# KiCad board klofi_3x5.kicad_pcb (continued)
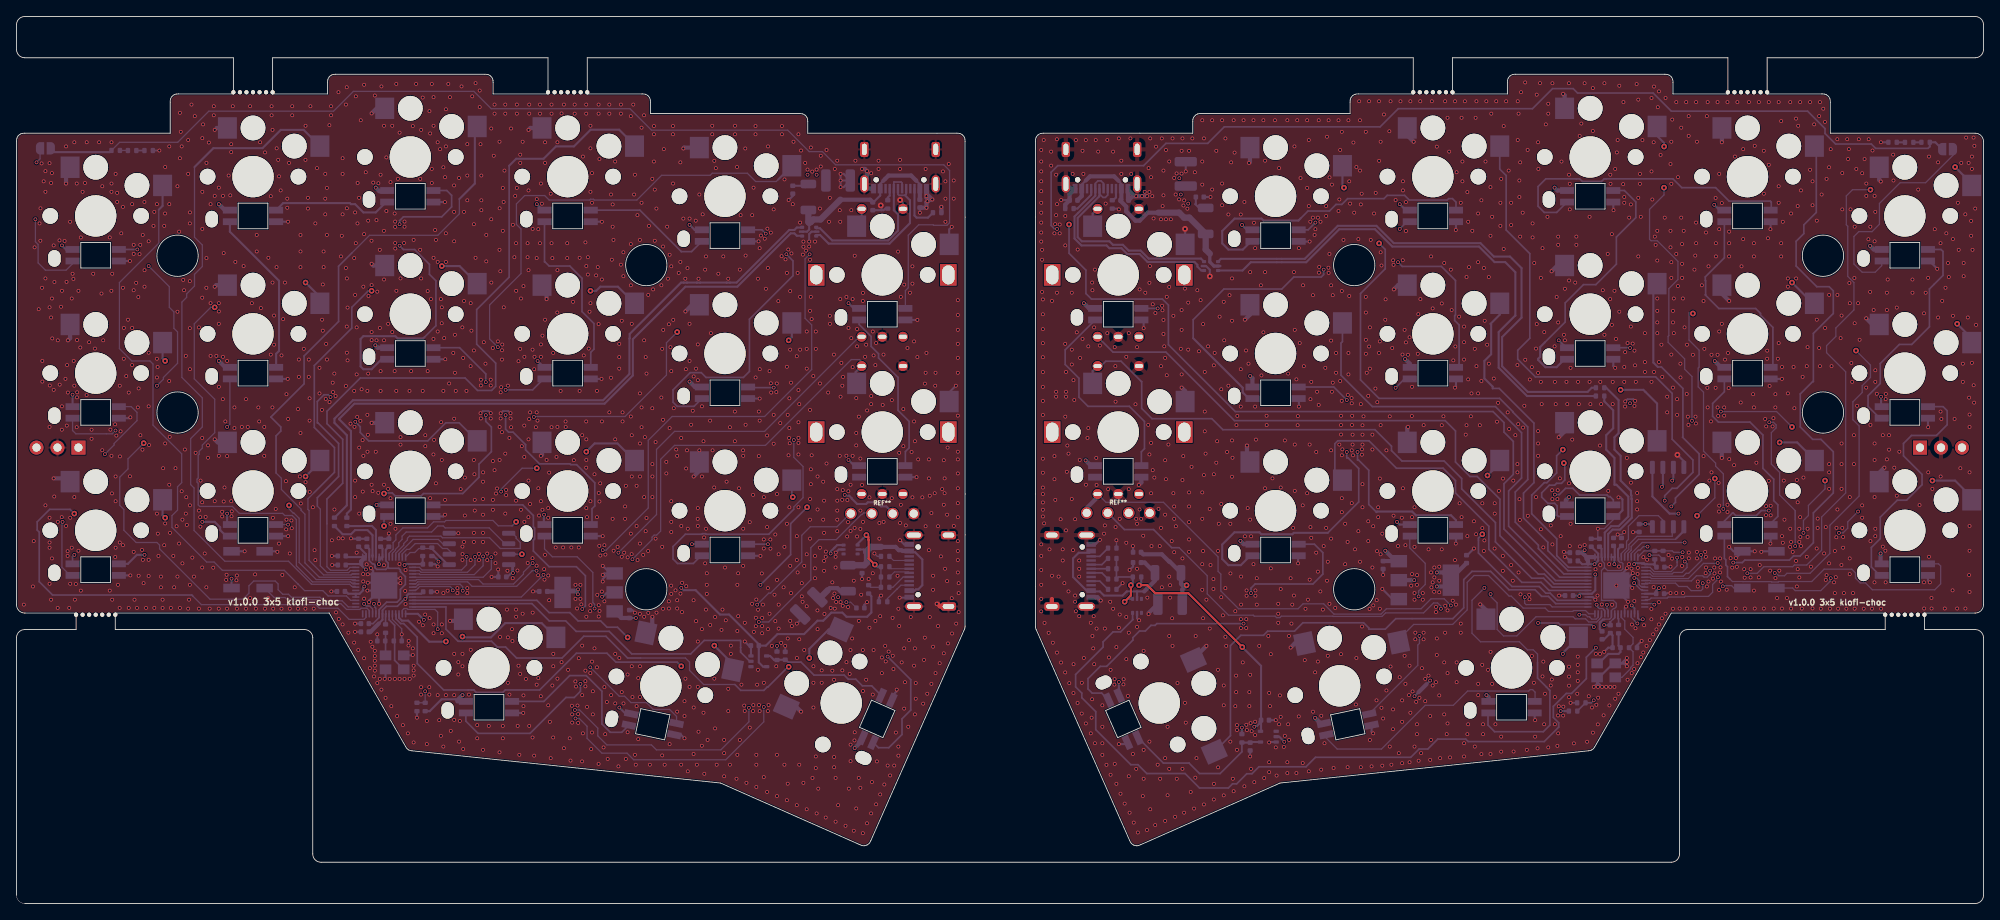
[diagram p0: board, top side]
## Routing (per net, layer and track width the routed paths; a pad name or vN(x,y) marks a point on that pad's centre or on a via; arc(x,y) is an arc through that point) (continued)
/left/AUX-5V: length 17
  Back w0.127: 108.19,42.82 108.1,42.73 J4.A4
  Back w0.254: U4.5 102.61,42.9 102.89,42.62 ; 107.29,42.72 107.19,42.82 ; J4.B4 108.76,37.92 108.91,38.07 109.19,38.07 109.69,38.57 109.69,41.69 108.81,42.57 108.25,42.57 J4.A4
  Back w0.508: 107.19,42.82 106.84,42.82 106.44,43.22 104.69,43.22 ; J4.A4 107.29,42.72
  Back w0.762: 101.39,40.99 102.66,40.99 102.99,41.32 102.99,42.52 102.89,42.62 103.49,43.22 104.69,43.22
/left/AUX-TX: length 10.7
  Front w0.254: v2(103.94,41.07) 103.19,41.82 103.19,44.07 103.17,44.09 103.17,44.4 v2(102.92,44.65)
  Back w0.127: v2(103.94,41.07) 103.89,41.11
  Back w0.152: R8.1 103.19,38.57 103.44,38.32 R12.1 R11.1
  Back w0.254: v2(103.94,41.07) 104.19,40.82 R11.1 ; v2(102.92,44.65) 101.85,43.58 U4.4
/left/D+: length 80.9
  Back w0.254: 95.23,80.92 94.49,80.92 94.2,81.21 93.75,81.21 87.29,74.75 81,74.75 74.63,68.38 74.63,63.99 71.21,60.57 40.91,60.57 39.09,58.75 39.09,58.66 40.5,57.25 40.5,47.75 40,47.25 R13.1
/left/D-: length 82.4
  Back w0.254: 95.23,81.92 94.49,81.92 94.2,81.63 93.58,81.63 87.2,75.25 86.4,75.25 86.39,75.24 85.99,75.24 85.98,75.25 82.8,75.25 82.79,75.24 82.39,75.24 82.38,75.25 81.2,75.25 81.19,75.24 80.79,75.24 80.78,75.25 80.48,75.25 74.25,69.02 74.25,68.5 74.22,68.47 74.22,64.17 71.04,60.99 40.74,60.99 38.5,58.75 38.5,58.25 40,56.75 40,48.25 38.51,46.76 R14.1
/left/D_esd_+: length 19
  Back w0.203: J3.B6 107.74,85.97 107.59,85.82 106.86,85.82 106.74,85.94 J3.A6
  Back w0.254: 107.59,85.82 108.19,85.22 108.19,82.45 105.71,79.97 98.34,79.97 97.3,81.01 96.83,81.01 96.74,80.92
/left/D_esd_-: length 19
  Back w0.203: J3.A7 107.24,87.31 107.12,87.43 106.26,87.43 106.24,87.41 J3.B7
  Back w0.254: 96.74,81.92 96.84,81.82 97.3,81.82 98.77,80.35 105.55,80.35 106.75,81.55 106.75,83.5 106.24,84.01 J3.B7
/left/KEY1: length 64.1
  In1.Cu w0.203: v2(93.51,28.68) 94.93,28.68 v2(96,29.75)
  Back w0.152: 75.56,29.75 81,29.75 81.5,29.25 81.5,28.25 83.21,26.54 86.99,26.54
  Back w0.203: 86.99,26.54 87.7,25.83 90.5,25.83 90.92,26.25 91,26.25 93.5,28.75 93.51,28.74 v2(93.51,28.68) ; 75.56,29.75 74,29.75 71.37,32.38 68.69,32.38 66.06,29.75 60.55,29.75 59.23,31.08 58.23,31.08 57.53,31.78 53.47,31.78 52,33.25 52,35.94 U5.14
  Back w0.254: SW21.1 98.34,33.2 96,30.86 v2(96,29.75)
/left/KEY2: length 64.4
  In1.Cu w0.203: v2(95.73,48.02) 94.5,49.25 v2(94,49.25) ; v1(90.09,38.62) 89.51,38.62 83.69,32.8 82.55,32.8 80,30.25 77,30.25 75,32.25 v2(74,32.25)
  Back w0.203: v2(94,49.25) 93.89,49.36 SW18.1 ; U5.12 63.01,36.74 64.5,35.25 67,35.25 68,34.25 70.73,34.25 71.5,33.48 72.77,33.48 v2(74,32.25) ; v2(95.73,48.02) 93.74,46.03 93.74,42.27 v1(90.09,38.62)
/left/KEY3: length 71.2
  In1.Cu w0.152: v1(62.65,58.96) 62.61,58.93 62.61,58.24 61.59,57.22 59.59,57.22 57.05,54.68 57.05,43.3 56.5,42.75 v1(56.5,42.06)
  In1.Cu w0.254: v2(80,69.25) 80.35,69.6 86.7,69.6 88.05,68.25 v2(93.5,68.25)
  Back w0.152: v1(62.65,58.96) 62.7,59.02 73.69,59.02 78.7,64.03 78.7,67.95 v2(80,69.25) ; v1(56.5,42.06) 56.5,40.93 55.43,39.86 48.87,39.86 48.79,39.94 U5.4
  Back w0.254: SW12.1 93.89,68.64 v2(93.5,68.25)
/left/KEY4: length 93.6
  In1.Cu w0.152: v1(54.5,42.02) 54.5,42.75 54.89,43.14 54.89,56.12 54.36,56.64 54.36,57.39 53.69,58.06 53.69,65.02 54.59,65.92 57.39,65.92 58.29,66.82 v1(58.29,67.42)
  Back w0.152: v1(54.5,42.02) 54.5,41.03 53.89,40.42 49.11,40.42 48.79,40.74 U5.2 ; v1(58.29,67.42) 57.29,68.42 57.29,72.54 61.09,76.34 61.09,81.75 60.54,82.3 60.54,84.79 61.54,85.79 63.96,85.79 64.5,85.25 69.41,85.25 69.51,85.35 69.87,85.35 69.96,85.25 75.12,85.25 78.11,88.24 83.99,88.24 84.25,88.5 88.5,88.5 89.5,87.5 92,87.5 92.25,87.75
  Back w0.254: 94.11,88.52 93.02,88.52 92.25,87.75
/left/KEY5: length 94.4
  Back w0.152: 37.59,46.01 37.59,40.82 38.03,40.38 40.03,40.38 40.39,40.74 U5.41
  Back w0.203: 59.65,89.4 59.65,75.9 55.73,71.97 55.73,67.78 58.03,65.48 58.03,62.67 57.54,62.18 55.83,62.18 54.33,63.68 41.63,63.68 37.6,59.65 37.6,58.15 39.5,56.25 39.5,50.93 37.59,49.02 37.59,46.01
  Back w0.254: 59.65,89.4 60.5,90.25 63.82,90.25 65.32,91.75 67.5,91.75 69.52,93.77 72.98,93.77 74.84,91.91 SW5.1
/left/KEY6: length 59.5
  In1.Cu w0.152: 60.09,68.02 60.09,66.42 58.49,64.82 55.69,64.82 55.09,64.22 55.09,58.12 56,57.21 56,43.12 55.52,42.64 v1(55.52,42)
  In1.Cu w0.254: 60.09,68.02 60,68.11 60,71.02 60.73,71.75 61.5,71.75 62.19,72.44 67.69,72.44 v2(69.5,74.25)
  Back w0.152: v1(55.52,42) 55.52,41.05 54.61,40.14 48.99,40.14 48.79,40.34 U5.3
  Back w0.254: v2(69.5,74.25) 70.2,74.25 70.7,74.75 72.82,74.75 SW11.1
/left/KEY7: length 40.1
  In1.Cu w0.152: v1(58.69,49.92) 58.69,47.94 58.09,47.34 58.09,43.34 57.5,42.75 v1(57.5,41.97)
  In1.Cu w0.254: v2(63,52.75) 65.84,52.75 67.29,54.2 68.45,54.2 v2(69,54.75)
  Back w0.152: 74.99,53.92 74.99,54.62 ; U5.5 56.51,39.54 57.5,40.53 v1(57.5,41.97) ; v1(58.69,49.92) 58.69,50.22 61.22,52.75 v2(63,52.75)
  Back w0.254: SW17.1 72.77,55.75 70,55.75 v2(69,54.75)
/left/KEY8: length 52.2
  In1.Cu w0.203: v2(84.5,31.25) 83,31.25 v2(80.5,28.75)
  Back w0.203: v2(80.5,28.75) 80,29.25 72.58,29.25 71.5,30.33 67.8,30.33 63.35,25.88 59.19,25.88 58.9,25.59 55.66,25.59 55.39,25.86 55.39,25.88 55.13,25.88 55.13,25.88 54.71,25.88 54.71,25.88 51.73,25.88 48.53,29.08 48.53,32.28 46.88,33.92 46.52,33.92 45.96,34.48 45.96,34.95 45.92,34.99 U5.18
  Back w0.254: v2(84.5,31.25) 86.72,29.03 SW20.1
/left/KEY9: length 22.7
  In1.Cu w0.254: v2(52,31.75) 52.6,32.35 v2(54,32.35)
  Back w0.254: 52.19,31.75 v2(52,31.75) 51.98,31.73 49.98,31.73 47.43,34.28 46.67,34.28 46.32,34.63 U5.17 ; v2(54,32.35) 54,32.25 57.45,32.25 59.18,33.98 63.58,33.98 SW19.1
/left/KEY10: length 51.2
  In1.Cu w0.203: v1(41.03,58.38) v1(38.03,61.38)
  Back w0.152: 36.43,48.16 36.79,47.8 36.79,40.92 37.61,40.1 40.22,40.1 40.46,40.34 U5.40
  Back w0.203: v1(41.03,58.38) 41.63,57.78 41.63,57.08 42.64,56.06 49.8,56.06 51.98,58.25 53.6,58.25 SW16.1 ; 36.43,48.16 36.43,49.17 39,51.75 39,55.75 36.5,58.25 36.43,58.25 36.43,60.84 37.24,61.65 37.75,61.65 v1(38.03,61.38)
/left/KEY11: length 59.5
  In1.Cu w0.254: v2(43,74.25) 43.65,74.9 49.15,74.9 v2(51.5,77.25)
  Back w0.152: 36.06,49.81 35.29,49.04 35.29,47.76 35.43,47.62 35.43,41.58 37.19,39.82 40.52,39.82 40.64,39.94 U5.39
  Back w0.203: 36.06,49.81 38.5,52.25 38.5,55.25 36.06,57.69 36.06,65.19 40.6,69.73 40.6,72.25 42.6,74.25 v2(43,74.25)
  Back w0.254: v2(51.5,77.25) 53.65,77.25 SW10.1
/left/KEY12: length 77.1
  Back w0.152: 53.63,85.37 53.63,83.58 51.03,80.98 42.75,80.98 40.6,78.83 ; U5.38 41.08,39.54 36.67,39.54 34.93,41.28 34.93,47.18 34.46,47.64 34.46,47.79 32.07,50.18 32.07,51.53 31.43,52.18
  Back w0.203: 31.43,52.18 31.43,56.68 32,57.25 32,57.75 30.8,58.95 34.83,62.98 34.83,66.36 39,70.53 39,77.23 40.6,78.83
  Back w0.254: 53.63,85.37 55.5,87.25 55.5,93.88 SW4.1
/left/KEY13: length 87.5
  Back w0.152: 21.55,89.25 21.55,80.75 22.5,79.8 22.5,77.2 21.55,76.25 21.55,74.83 20.6,73.88 20.6,73.46 20.03,72.88 20.03,63.75 22.5,61.27 22.5,57.75 21.09,56.34 21.09,50.77 21.5,50.36 21.5,45.21 25.23,41.48 32.94,41.48 35.68,38.74 35.68,38.74 35.74,38.68 40.34,38.68 40.59,38.44 40.98,38.44 U5.35
  Back w0.254: 21.55,89.25 23.84,91.54 29.79,91.54 32,93.75 34.77,93.75 SW3.1
/left/KEY14: length 69
  In1.Cu w0.254: v2(35,75.25) 34.52,74.77 31.52,74.77 29,72.25 v2(24,72.25)
  Back w0.152: U5.36 40.98,38.84 40.59,38.84 40.45,38.98 35.84,38.98 35.8,39.02 35.79,39.02 33.89,40.92 33.89,46.52 33.39,47.02 32.49,47.02 32.23,47.28 26.98,47.28 26.14,48.12 22.19,48.12 22,48.3 22,50.93 21.86,51.07 21.86,51.43 22,51.57 22,54.32 22.12,54.44 22.12,54.8 22.5,55.18 22.5,55.55 24,57.05 24,61.1 21.53,63.58 21.53,70.25 23.53,72.25 v2(24,72.25)
  Back w0.254: SW9.1 36.74,73.51 v2(35,75.25)
/left/KEY15: length 23.2
  In1.Cu w0.152: v2(35,51.75) 34.4,51.15 33.45,51.15 32.5,50.2 32.5,49.25 33,48.75 v2(33,48.25)
  Back w0.152: U5.37 40.98,39.24 40.59,39.24 40.56,39.26 36.29,39.26 34.23,41.32 34.23,46.68 33.59,47.32 33.5,47.32 33,47.82 v2(33,48.25)
  Back w0.254: v2(35,51.75) 36.74,53.49 SW15.1
/left/KEY16: length 69
  In1.Cu w0.203: v2(18,46.75) 13,46.75 11.5,48.25 9,48.25 8.68,47.93 7.68,47.93 v2(7,47.25)
  Back w0.152: U5.27 42.32,34.66 42.09,34.43 40.27,34.43 38.93,35.78 36.68,35.78 36.24,36.22 22.39,36.22 21.38,37.23
  Back w0.203: v2(7,47.25) 6.49,47.76 4.01,47.76 2.5,46.25 2.5,45.26 2.75,45.01 2.75,39 4.37,37.38 21.23,37.38 21.38,37.23
  Back w0.254: v2(18,46.75) 17.69,47.06 SW14.1
/left/KEY17: length 61.2
  In1.Cu w0.152: v2(18,65.75) 19,64.75 19,63.22 17,61.22 16.87,61.22 16.5,60.85 16.5,59.25 15.5,58.25 15.5,55.89 v2(15.4,55.79)
  Back w0.152: v2(15.4,55.79) 13.5,53.89 13.5,52.66 12.5,51.66 12.5,48.25 13,47.75 13,45.23 14.48,43.75 17,43.75 17.33,43.42 17.33,42.98 23.43,36.88 27.43,36.88 28.14,37.6 28.14,38.5 28.73,39.08 31.33,39.08 31.68,38.73 31.68,38.03 32.23,37.48 32.93,37.48 33.29,37.12 36.74,37.12 37.18,36.68 39.43,36.68 40.16,35.94 U5.29
  Back w0.254: v2(18,65.75) 17.69,66.06 SW8.1
/left/KEY18: length 74.4
  Back w0.152: U5.31 40.46,36.74 39.94,37.27 37.74,37.27 37.09,37.92 34.89,37.92 34.09,38.71 34.08,38.71 32.42,40.38 24.93,40.38 23.93,41.38 23.03,41.38 18.83,45.58 18.83,47 19.5,47.68 19.5,50.5 20,51 20,54.5 16.53,57.97 16.53,65.38 16.15,65.75 13.96,65.75 12.46,67.25 12.46,75.25 17.23,80.02 17.23,84.08
  Back w0.254: 17.23,84.08 17.69,84.54 SW2.1
/left/KEYEX1: length 90.6
  In1.Cu w0.152: v1(62.49,41.25) 62.99,41.75 63.56,41.75 63.59,41.72 69.29,41.72 70.39,42.82 v1(70.99,42.82)
  In1.Cu w0.254: v1(96.04,78.67) 96.12,78.75 98.25,78.75 102.34,82.84 EXSW1.S2
  Back w0.152: 96.09,78.72 95.49,78.12 95.49,70.92 96.29,70.12 96.29,64.72 90.59,59.02 79.39,59.02 76.5,56.13 76.5,47.93 71.39,42.82 v1(70.99,42.82) ; U5.6 48.35,39.14 48.47,39.26 55.95,39.26 56.49,38.72 60.19,38.72 61.39,39.92 61.39,40.15 v1(62.49,41.25)
  Back w0.254: EXSW1.S2 102.34,82.68 EXSW1.S2
/left/KEYEX2: length 75.2
  In1.Cu w0.152: v1(74.59,41.72) 73.31,40.44 64.42,40.44 63.88,39.9 63.75,39.9 v1(63.82,39.83)
  Back w0.152: v1(63.82,39.83) 61.12,37.14 U5.11 ; v1(74.59,41.72) 76.96,44.09 76.96,44.4 77.21,44.65 77.52,44.65 78,45.13 78,53.83 79.69,55.52 90.69,55.52 101.09,65.92 102.09,65.92 102.34,65.67 102.34,64.73
  Back w0.254: EXSW2.S2 101.61,63.16 101.61,64.4 EXSW2.S2
/left/LED: length 46
  Back w0.203: 87.69,30.61 87.68,30.61 ; 87.68,30.61 87.68,30.46 88.79,29.35 U6.2 ; 87.68,30.61 87.68,31.03 87.69,31.03 87.69,31.82 87.63,31.88 83.27,31.88 81.64,30.25 74.5,30.25 71.77,32.98 67.77,32.98 66.5,34.25 64.5,34.25 62.41,36.34 U5.13
/left/LED_LVL_UP: length 15.8
  Back w0.203: LED21.4 103.55,26.38 102.43,26.38 101.63,27.18 100.73,27.18 100.23,27.68 96.57,27.68 95,29.25 93.46,29.25 93.14,29.57
  Back w0.254: C25.1 92.12,29.54 R19.1 91.74,29.51 91.25,30 U6.4
/left/QSPI_SCLK: length 17.8
  Back w0.152: 60.06,43.6 59.16,43.6 57.24,45.52 51.9,45.52 51.67,45.75 51,45.75 50.27,45.02 47.19,45.02 46.69,44.52 46.69,44.12 46.29,43.72 46.29,43.32 45.89,42.92 45.89,42.82 45.52,42.45 U5.52
/left/QSPI_SD0: length 19.5
  Back w0.152: U5.53 45.92,42.45 46.89,43.42 46.89,43.62 47.34,44.07 47.34,44.27 47.59,44.52 51.39,44.52 51.59,44.32 57.29,44.32 58.59,43.02 60.99,43.02 61,43.03 61,43.75 60.5,44.25 60.5,44.43 60.06,44.87
/left/QSPI_SD1: length 7.6
  Back w0.152: U5.55 46.72,42.38 47.26,42.92 47.59,42.92 48.29,43.62 50.99,43.62 51.59,43.02 52.17,43.02 52.86,42.33
/left/QSPI_SD2: length 7.9
  Back w0.152: 52.86,43.6 51.61,43.6 51.09,44.12 48.02,44.12 46.32,42.41 U5.54
/left/QSPI_SD3: length 26.1
  In1.Cu w0.152: v2(61.2,42.33) 60.5,43.03 v2(60.5,46.25)
  Back w0.152: 59.08,42.33 v2(61.2,42.33) ; U5.51 45.12,42.45 45.6,42.93 45.6,43.73 45.94,44.07 45.94,44.67 46.79,45.52 49.77,45.52 50.5,46.25 51.83,46.25 52,46.42 57.69,46.42 58.34,45.77 60.02,45.77 v2(60.5,46.25)
  Back w0.254: 60.42,42.33 U3.7 ; v2(61.2,42.33) 61.05,42.18
/left/QSPI_SS: length 7.3
  Back w0.152: U5.56 47.67,42.53 48.22,42.53 48.71,43.02 50.4,43.02 ; 52.55,41.06 52.86,41.06 52.67,41.06
  Back w0.254: U3.1 52.23,41.06 50.29,43.01 R4.1
/left/RE0A: length 71.9
  In1.Cu w0.152: v1(62.97,40.33) 63.39,40.75 63.5,40.75 63.87,41.12 69.41,41.12 69.69,41.4 71.76,41.4 v1(72.89,42.52)
  Back w0.152: EXSW1.A 102.05,68.68 90.59,57.22 79.69,57.22 77.5,55.03 77.5,47.13 v1(72.89,42.52) ; U5.7 48.35,38.74 48.59,38.98 54.63,38.98 55.17,38.44 60.56,38.44 62.45,40.33 v1(62.97,40.33)
/left/RE1A: length 93.7
  In1.Cu w0.152: v1(54.03,37.91) 54.03,34.72 56.5,32.25 58,32.25 58.5,31.75 59.5,31.75 61,30.25 63.66,30.25 64.39,29.52 64.39,24.92 65.85,23.45 v1(67.61,23.45) ; v1(89.69,36.22) 85.89,32.42 85.89,27.32 88.69,24.52 v1(88.69,23.72)
  In1.Cu w0.254: 101.03,47.33 102.34,48.64 EXSW2.A
  Back w0.152: v1(88.69,23.72) 88.69,22.02 85.29,18.62 77.49,18.62 76.89,19.22 71.49,19.22 70.39,20.32 70.39,21.25 68.19,23.45 v1(67.61,23.45) ; 101.03,47.33 99.35,45.66 96.13,45.66 95.09,44.62 95.09,41.39 91.31,37.62 91.09,37.62 v1(89.69,36.22) ; U5.8 48.35,38.34 48.6,38.58 48.6,38.59 48.71,38.7 53.71,38.7 54.03,38.37 v1(54.03,37.91) 54.04,37.92 54.09,37.92
/left/REB: length 120.9
  In1.Cu w0.152: v1(52.83,37.94) 52.83,35.18 56.19,31.82 57.49,31.82 58.19,31.12 59.19,31.12 60.29,30.02 60.29,27.02 64.89,22.42 v1(67.69,22.42) ; v1(89.89,34.12) 89.19,34.12 87.29,32.22 87.29,27.82 90.49,24.62 v1(90.49,23.82)
  In1.Cu w0.203: EXSW2.B 108.19,49.63 109.89,51.33 109.89,54.12 108.18,55.82 108.18,58.92 108,59.1 108,63.25 108.63,63.88 108.63,67.38 EXSW1.B
  In1.Cu w0.254: EXSW2.B 106.23,48.52 105.39,48.52 104.2,47.33 103.57,47.33
  Back w0.152: v1(52.83,37.94) 52.83,38.11 52.51,38.42 48.83,38.42 48.6,38.19 48.6,38.18 48.45,38.04 48.4,38.04 48.31,37.94 U5.9 ; 103.57,47.33 102.58,47.33 102.39,47.14 102.31,47.14 99.26,44.1 97.16,44.1 96.19,43.12 96.19,39.22 91.09,34.12 v1(89.89,34.12) ; v1(90.49,23.82) 90.49,22.02 85.89,17.42 74.73,17.42 73.93,18.22 70.89,18.22 69.09,20.02 69.09,21.48 68.15,22.42 v1(67.69,22.42)
/left/SWCLK: length 63.7
  In1.Cu w0.152: v1(43.28,36.32) 43.29,36.33 43.29,37.12 42.99,37.42 42.29,37.42 42.29,37.42 41.89,37.42 41.89,37.42 41.69,37.42 41.29,37.02 36.59,37.02 35.83,37.78 15.55,37.78 15.09,37.32 6.5,37.32 6,37.82 6,40.9 4.47,42.44 2.89,42.44
  In1.Cu w0.254: J1.1 7.5,53.75 7,53.25 5,53.25 ; 3,42.44 2.91,42.53 2.91,51.16 5,53.25 ; 5,53.25 5.5,53.25
  Back w0.152: U5.24 43.52,35.79 43.39,35.92 43.39,36.21 v1(43.28,36.32)
/left/SWD: length 60.7
  In1.Cu w0.152: 2,37.69 2.55,37.69 3.93,36.32 v1(42.09,36.32)
  In1.Cu w0.254: 2,37.69 1.5,38.19 1.5,54.33 J1.3
  Back w0.152: U5.25 43.12,35.69 42.76,36.04 42.57,36.04 42.55,36.06 42.35,36.06 v1(42.09,36.32)
/left/TX: length 110.6
  In1.Cu w0.254: v1(98.59,42.42) 98.59,39.52 97.89,38.82 97.89,35.72 100.74,32.87 104.44,32.87 108.09,29.22 108.09,27.07 108.12,27.04 108.12,26.6 108.09,26.57 108.09,22.42 107.39,21.72 107.39,20.52 106.19,19.32 106.19,18.32 102.49,14.62 96.09,14.62 93.29,17.42 74.69,17.42 73.99,18.12 67.89,18.12 66.59,19.42 54.79,19.42 53.89,20.32 52.29,20.32 48.19,24.42 48.19,26.72 48.79,27.32 48.79,28.12 49.59,28.92 49.59,33.36 49.72,33.5 49.72,33.98 v1(49.33,34.38)
  Back w0.254: U5.15 48.6,35.1 v1(49.33,34.38) ; v1(98.59,42.42) 98.59,42.65 99.37,43.44 U4.3
/left/USB_VBUS_PIN: length 17.6
  In1.Cu w0.152: v1(51,33.25) 51,32.43 50.29,31.72 50.29,28.32 49.49,27.52 v1(49.49,25.72)
  Back w0.152: U5.16 46.72,35.54 46.92,35.74 47.28,35.74 47.39,35.63 50.67,35.63 51,35.31 v1(51,33.25) ; v1(49.49,25.72) R1.2 R3.1
/right/AUX-5V: length 20.4
  Back w0.152: 137.86,39.12 rFB2.1
  Back w0.254: J6.B4 129.91,42.51 128.62,42.51 127.94,41.82 127.94,39.57 129.59,37.92 J6.A4 130.13,37.88 130.19,37.82 131.19,37.82 131.69,37.32 133.94,37.32 134.44,37.82 135.69,37.82 ; 135.69,37.82 136.56,37.82 ; 135.69,37.82 rU4.5
  Back w0.508: 136.56,37.82 137.86,39.12 ; rC21.1 136.61,41.32 rFB2.1
/right/AUX-TX: length 9.6
  Front w0.152: v2(134.19,36.57) 134.19,36.8
  Front w0.254: v2(134.19,36.57) 134.94,37.32 134.94,38.82
  Back w0.152: 133.2,40.56 133.19,40.57 rR10.2 ; 133.45,39.57 rR11.1
  Back w0.203: rR12.1 rR10.2 ; 133.2,40.56 rR11.1 ; rR9.1 133.45,39.57
  Back w0.254: v2(134.19,36.57) 134.54,36.92 rU4.4 ; v2(134.94,38.57) 135.18,38.81 rR9.1
/right/D+: length 66.4
  Back w0.254: rR13.1 190.75,62.5 190.25,62 183,62 179.89,65.1 179.89,68.64 182.25,71 182.25,77 180.85,78.4 178.9,78.4 177.27,80.03 166.77,80.03 164.67,82.13 160,82.13 156,78.13 145.84,78.13 rU2.4
/right/D-: length 65.8
  Back w0.254: rR14.1 182.91,61.5 179.48,64.93 179.48,69.25 181.48,71.25 181.5,71.25 181.5,76.5 180.27,77.73 178.98,77.73 177.1,79.61 166.6,79.61 164.5,81.71 160.17,81.71 156.17,77.71 149.46,77.71 148.46,76.71 rU2.6
/right/esd_D+: length 26.2
  Back w0.203: J5.B6 132.14,85.85 131.86,85.57 131.57,85.57 131.14,86 J5.A6
  Back w0.254: rU2.3 143.44,78.15 137.1,78.15 136.13,79.12 134.68,79.12 133.97,79.83 132.77,79.83 132.35,80.25 129,80.25 128.5,80.75 128.5,83.09 131.09,85.68 131.09,85.72 131.14,85.77 J5.A6
/right/esd_D-: length 27
  Back w0.203: J5.A7 131.64,87.26 131.33,87.57 130.95,87.57 130.64,87.26 J5.B7
  Back w0.254: J5.B7 130.64,85.77 128.12,83.25 128.12,80.59 128.96,79.75 132,79.75 132.34,79.41 133.8,79.41 134.5,78.71 136,78.71 136.96,77.75 142.65,77.75 143,77.39 143,77.18 143.47,76.71 rU2.1
/right/KEY1: length 65
  Back w0.203: rU5.30 186.39,36.34 185.51,37.22 184.69,37.22 183.89,38.02 180.73,38.02 178.5,40.25 176.25,40.25 175.25,39.25 175.25,35.84 173.93,34.52 167.02,34.52 165.75,33.25 163.75,33.25 163.75,33.4 163.13,34.02 155.77,34.02 154.75,33 151.5,33 151,32.5 148.25,32.5 147,31.25 147,20.34 rSW21.1
/right/KEY2: length 45.6
  Back w0.203: rSW18.1 159.64,52.23 159.64,55.72 160,56.07 163.78,56.07 167.1,52.75 172.75,52.75 174.25,51.25 174.25,49.75 178.29,45.71 178.29,42.92 182.29,38.92 184.61,38.92 185.59,37.94 rU5.34
/right/KEY3: length 55.3
  Back w0.203: rU5.38 186.87,39.54 180.69,45.72 180.69,50 182.25,51.56 182.25,57.06 179.09,60.22 164.19,60.22 160.39,64.02 160.39,67.92 160.56,68.09 rSW12.1
/right/KEY4: length 75.8
  In1.Cu w0.203: v2(160.75,86.75) 162.25,85.25 162.25,84.61 165,81.86 v2(165,80)
  Back w0.203: v2(165,80) 165.74,79.26 165.74,76.92 162.75,73.92 162.75,63.46 164.99,61.22 179.59,61.22 181.19,59.62 181.19,59.56 183,57.75 183,51.37 181.49,49.86 181.49,46.22 184.29,43.42 184.29,43.02 187.37,39.94 rU5.39
  Back w0.254: v2(160.75,86.75) 160.56,86.94 rSW6.1
/right/KEY5: length 80.8
  In1.Cu w0.152: v1(199.59,48.82) 198.86,48.1 198.86,42.73 200.28,41.32 201.37,41.32 201.49,41.44 v1(202.01,41.44)
  Back w0.152: v1(202.01,41.44) 202.29,41.16 202.29,40.72 201.69,40.12 200.66,40.12 200.48,39.94 198.22,39.94 197.82,40.34 rU5.3
  Back w0.203: v1(199.59,48.82) 199.59,49.42 200.49,50.32 201.07,50.32 203,52.25 203,53.75 200.49,56.26 200.49,61.82 198.49,63.82 183.93,63.82 181.79,65.96 181.79,67.04 183.25,68.5 183.25,78.76 180.39,81.62 180.39,88.22 179.61,88.99 rSW5.1
/right/KEY6: length 41.4
  Back w0.203: 178.75,62.42 179.55,62.42 183.75,58.22 183.75,51 182.49,49.74 182.49,46.72 185.43,43.77 185.43,42.76 187.86,40.34 rU5.40
  Back w0.254: 178.75,62.42 178.75,62.63 177.75,63.63 177.75,65.75 178.57,66.57 178.57,70.18 178.5,70.25 179.61,71.36 rSW11.1
